# Altium PCB Hrafn_backup.PcbDoc (part 1 of 5)
Units mil, origin at the board's own origin, x right, y up, seen from the top; angles counter-clockwise.
Board outline 3346.46 x 3729.53 mil, 6 copper layers (Top Layer, GND, Internal Top, Internal Bottom, PWR, Bottom Layer), stack 55.468 mil thick; 375 components, 229 nets, 1217 pads, 760 vias.
Unrouted connection lines stored in the file: 2.
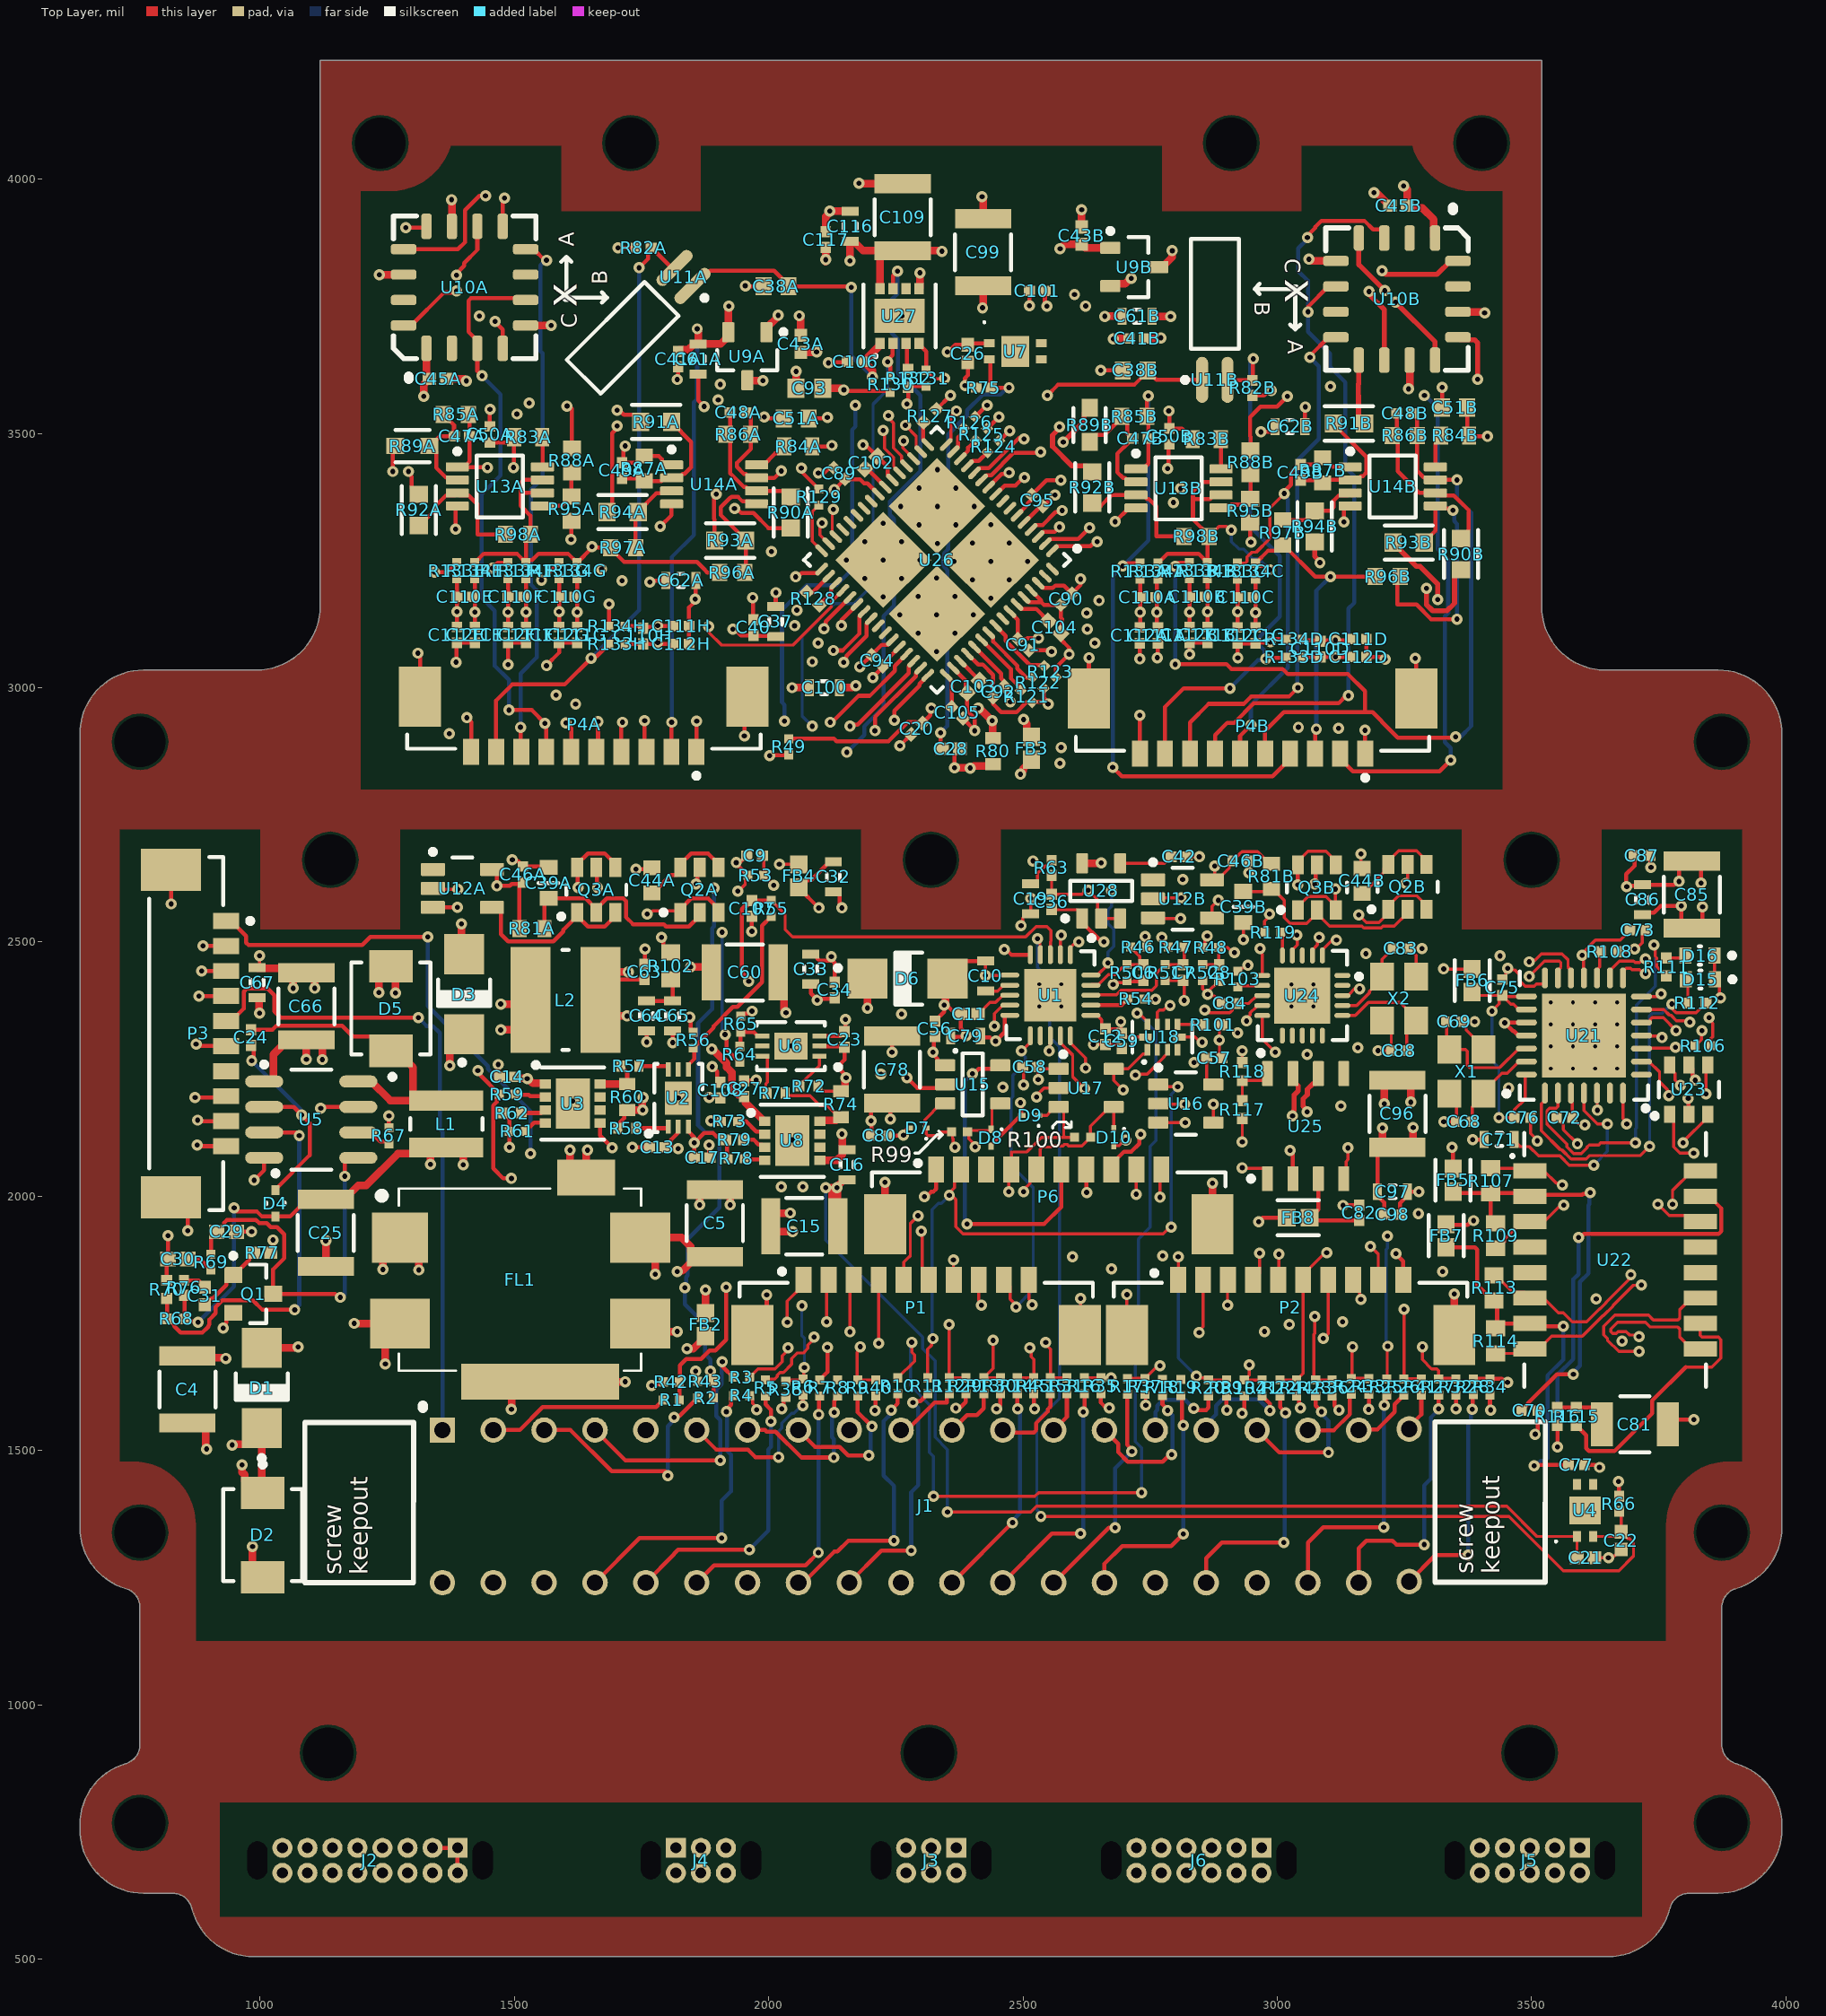
[diagram p0: Top Layer view]
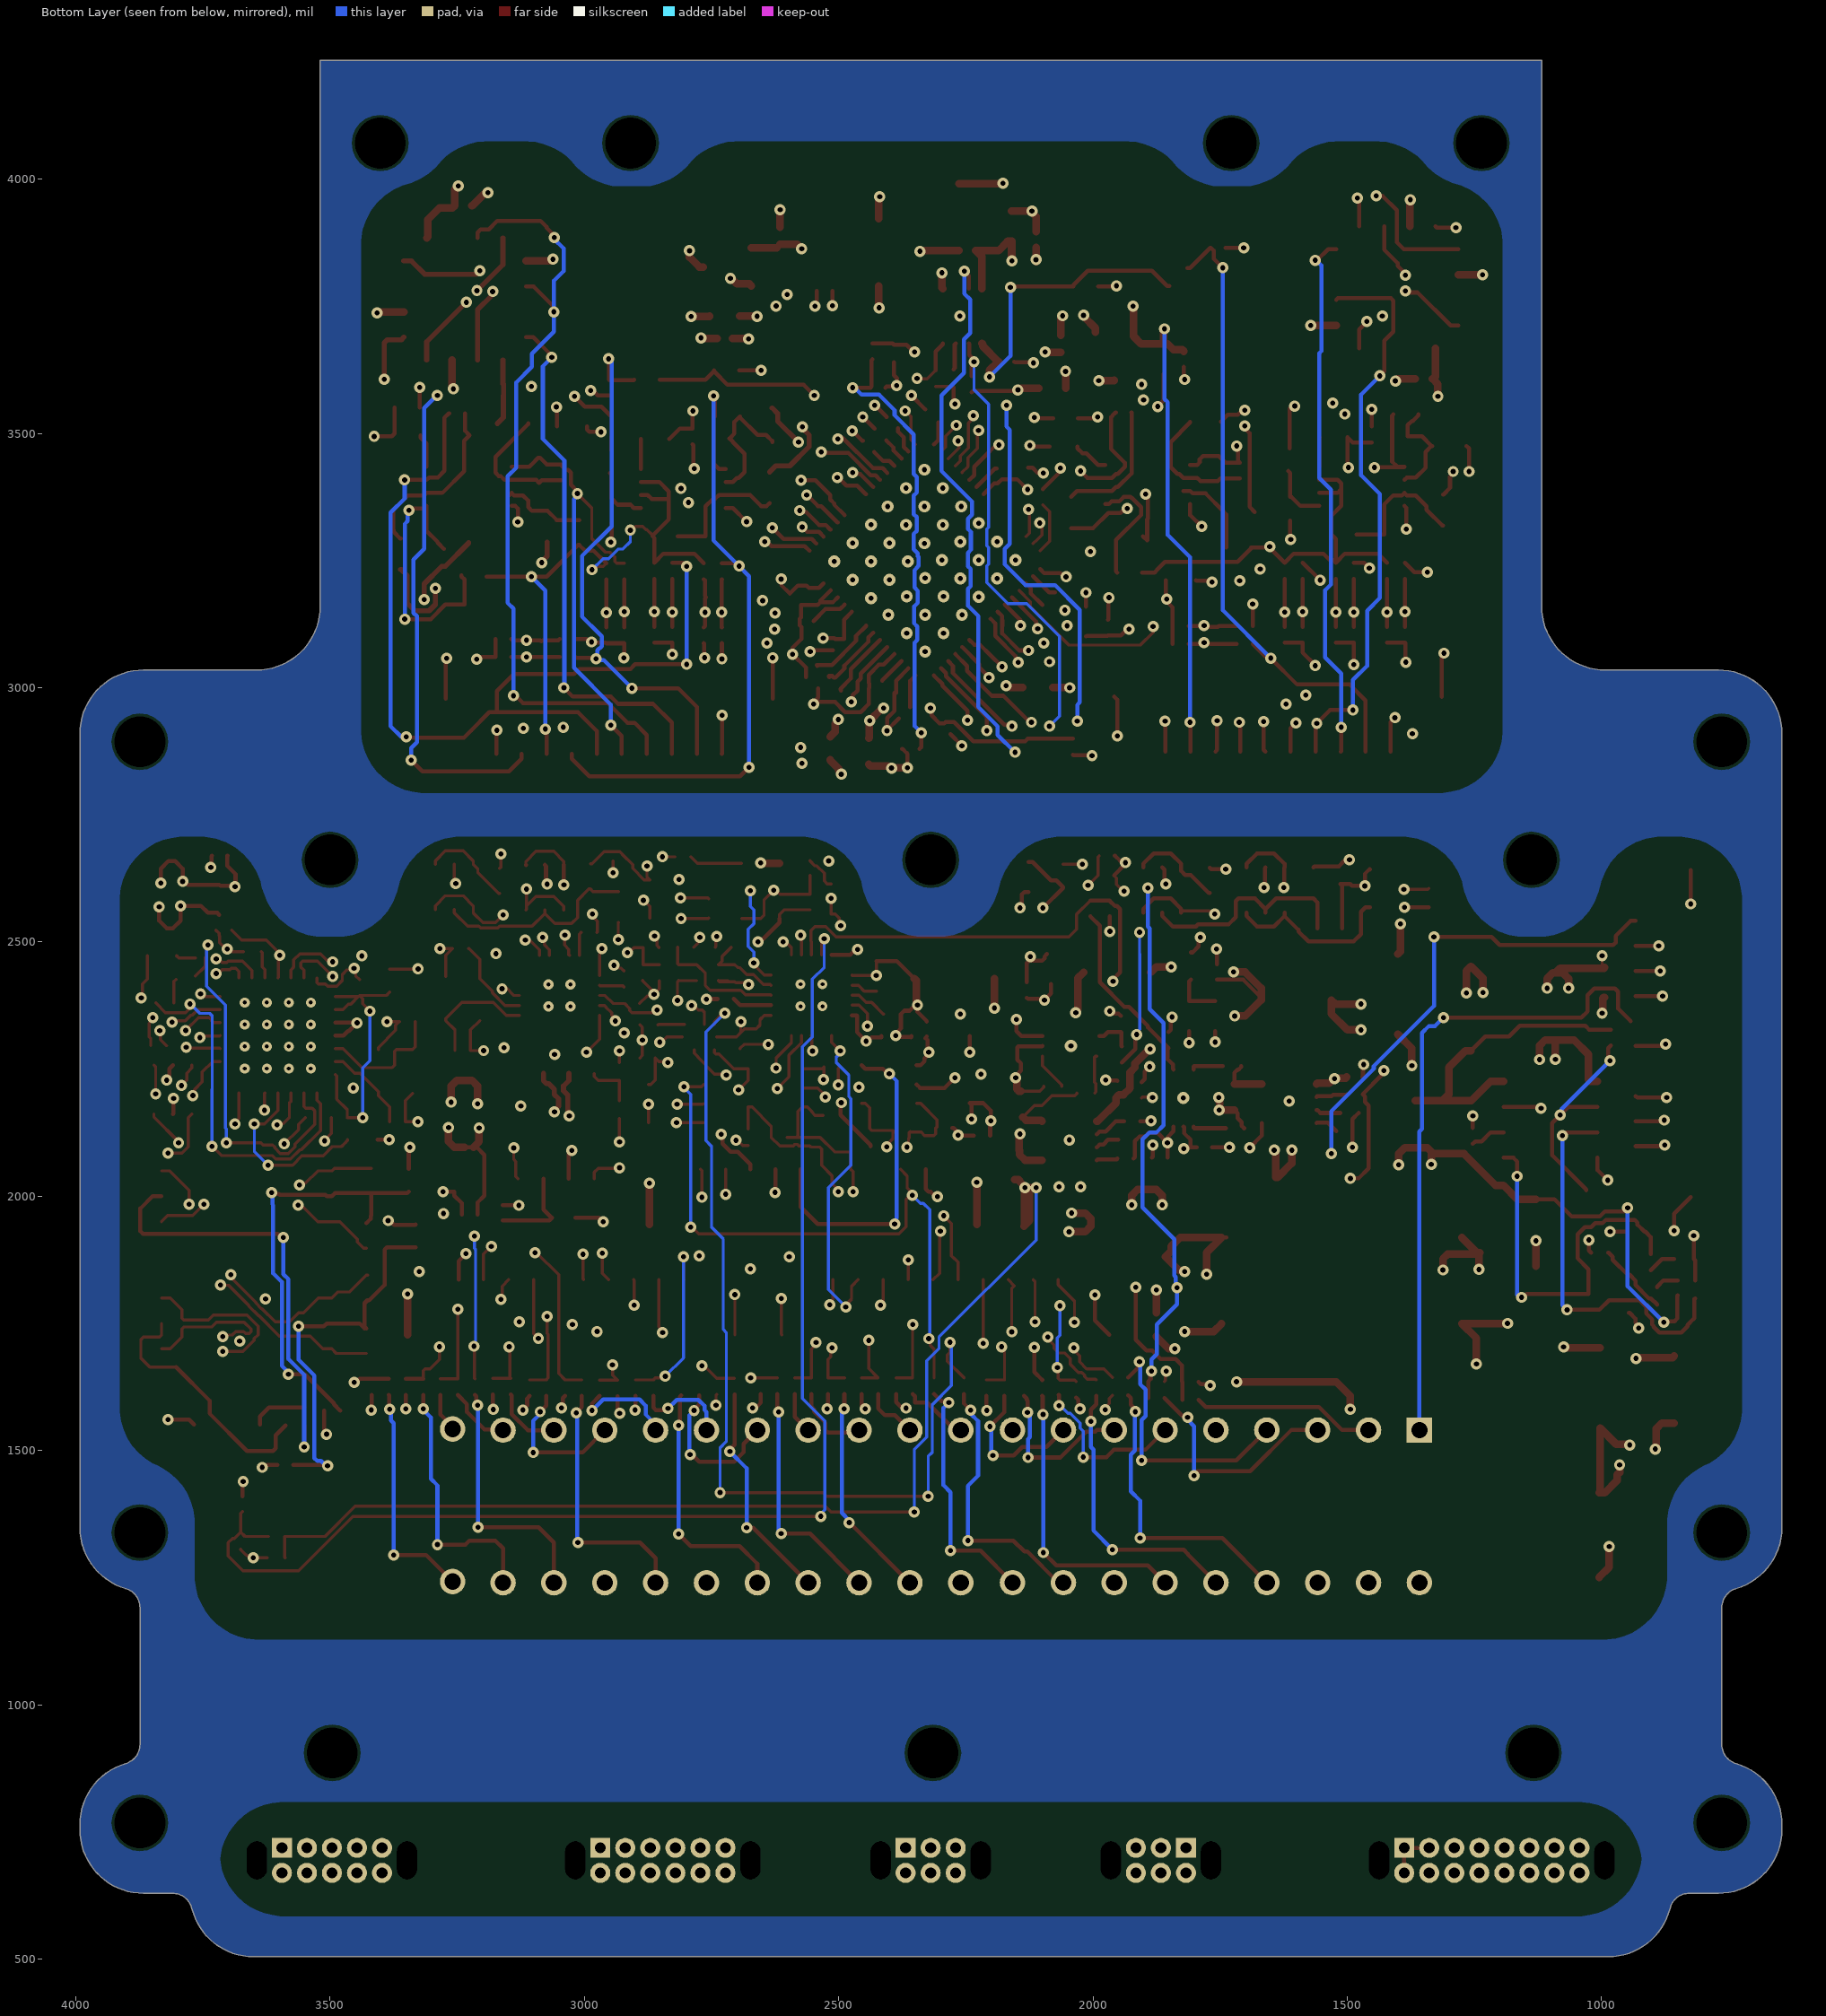
[diagram p1: Bottom Layer view, seen from below]
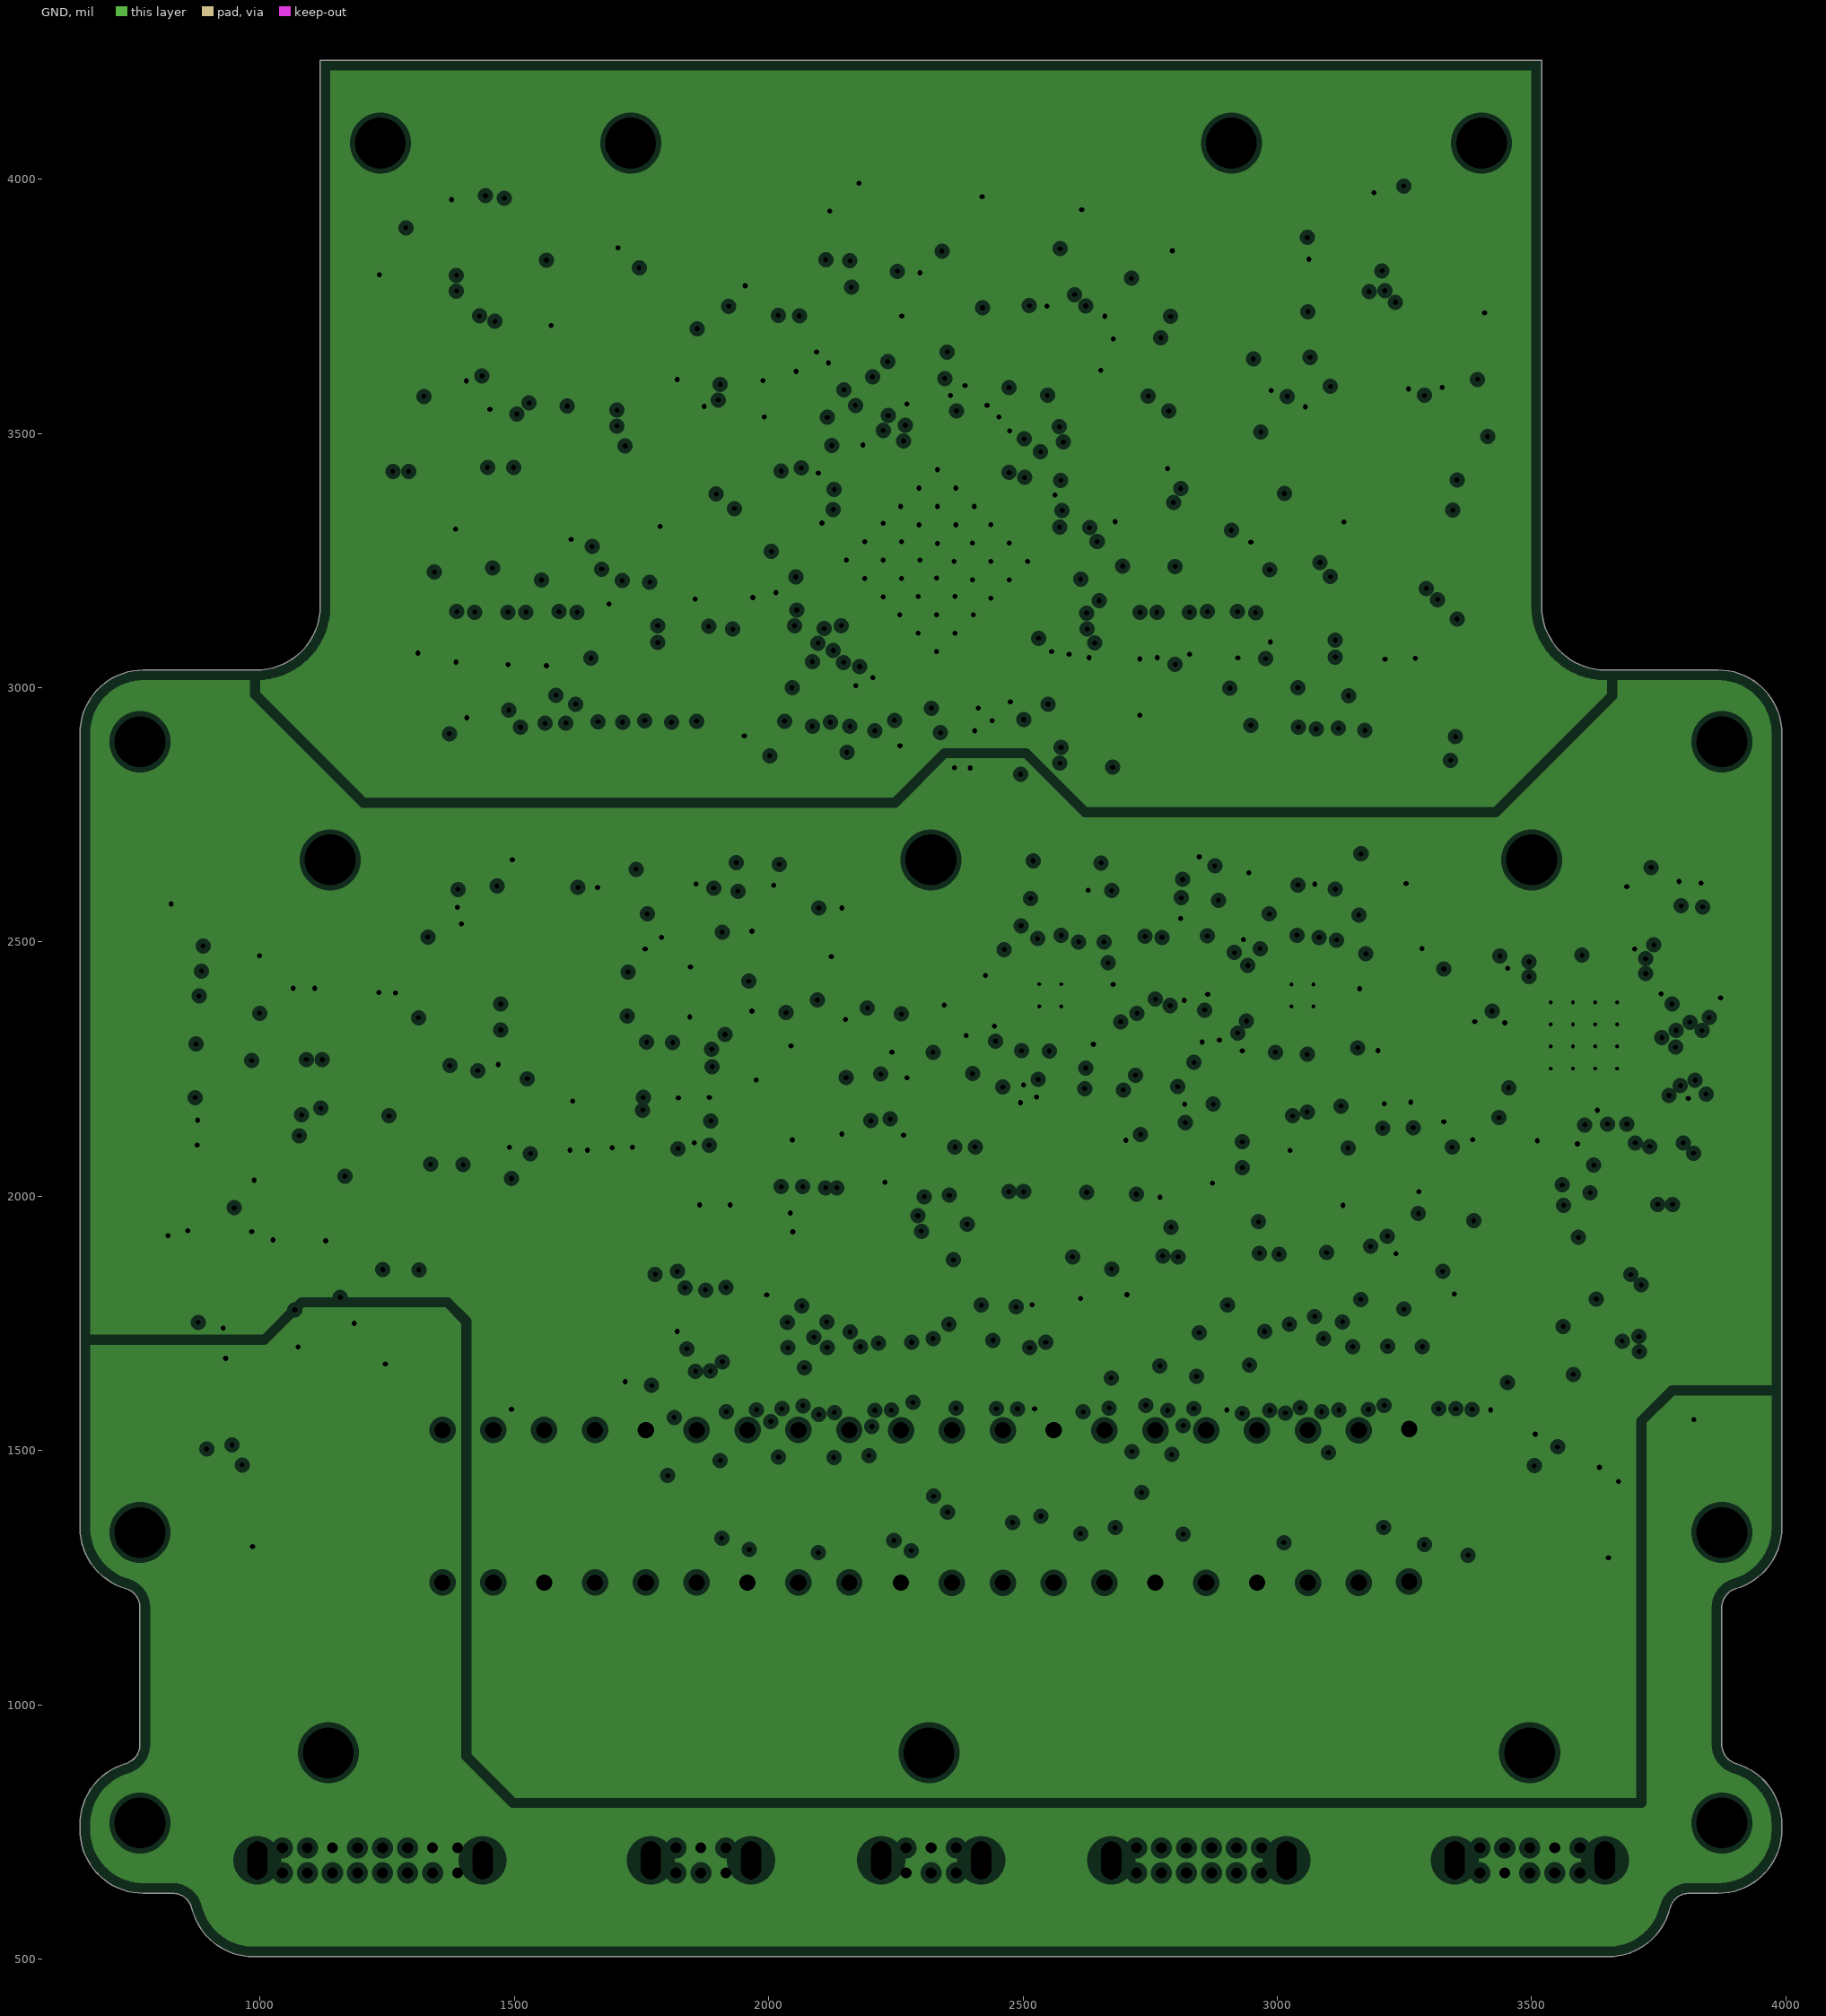
[diagram p2: GND, clearances drawn from the general rule]
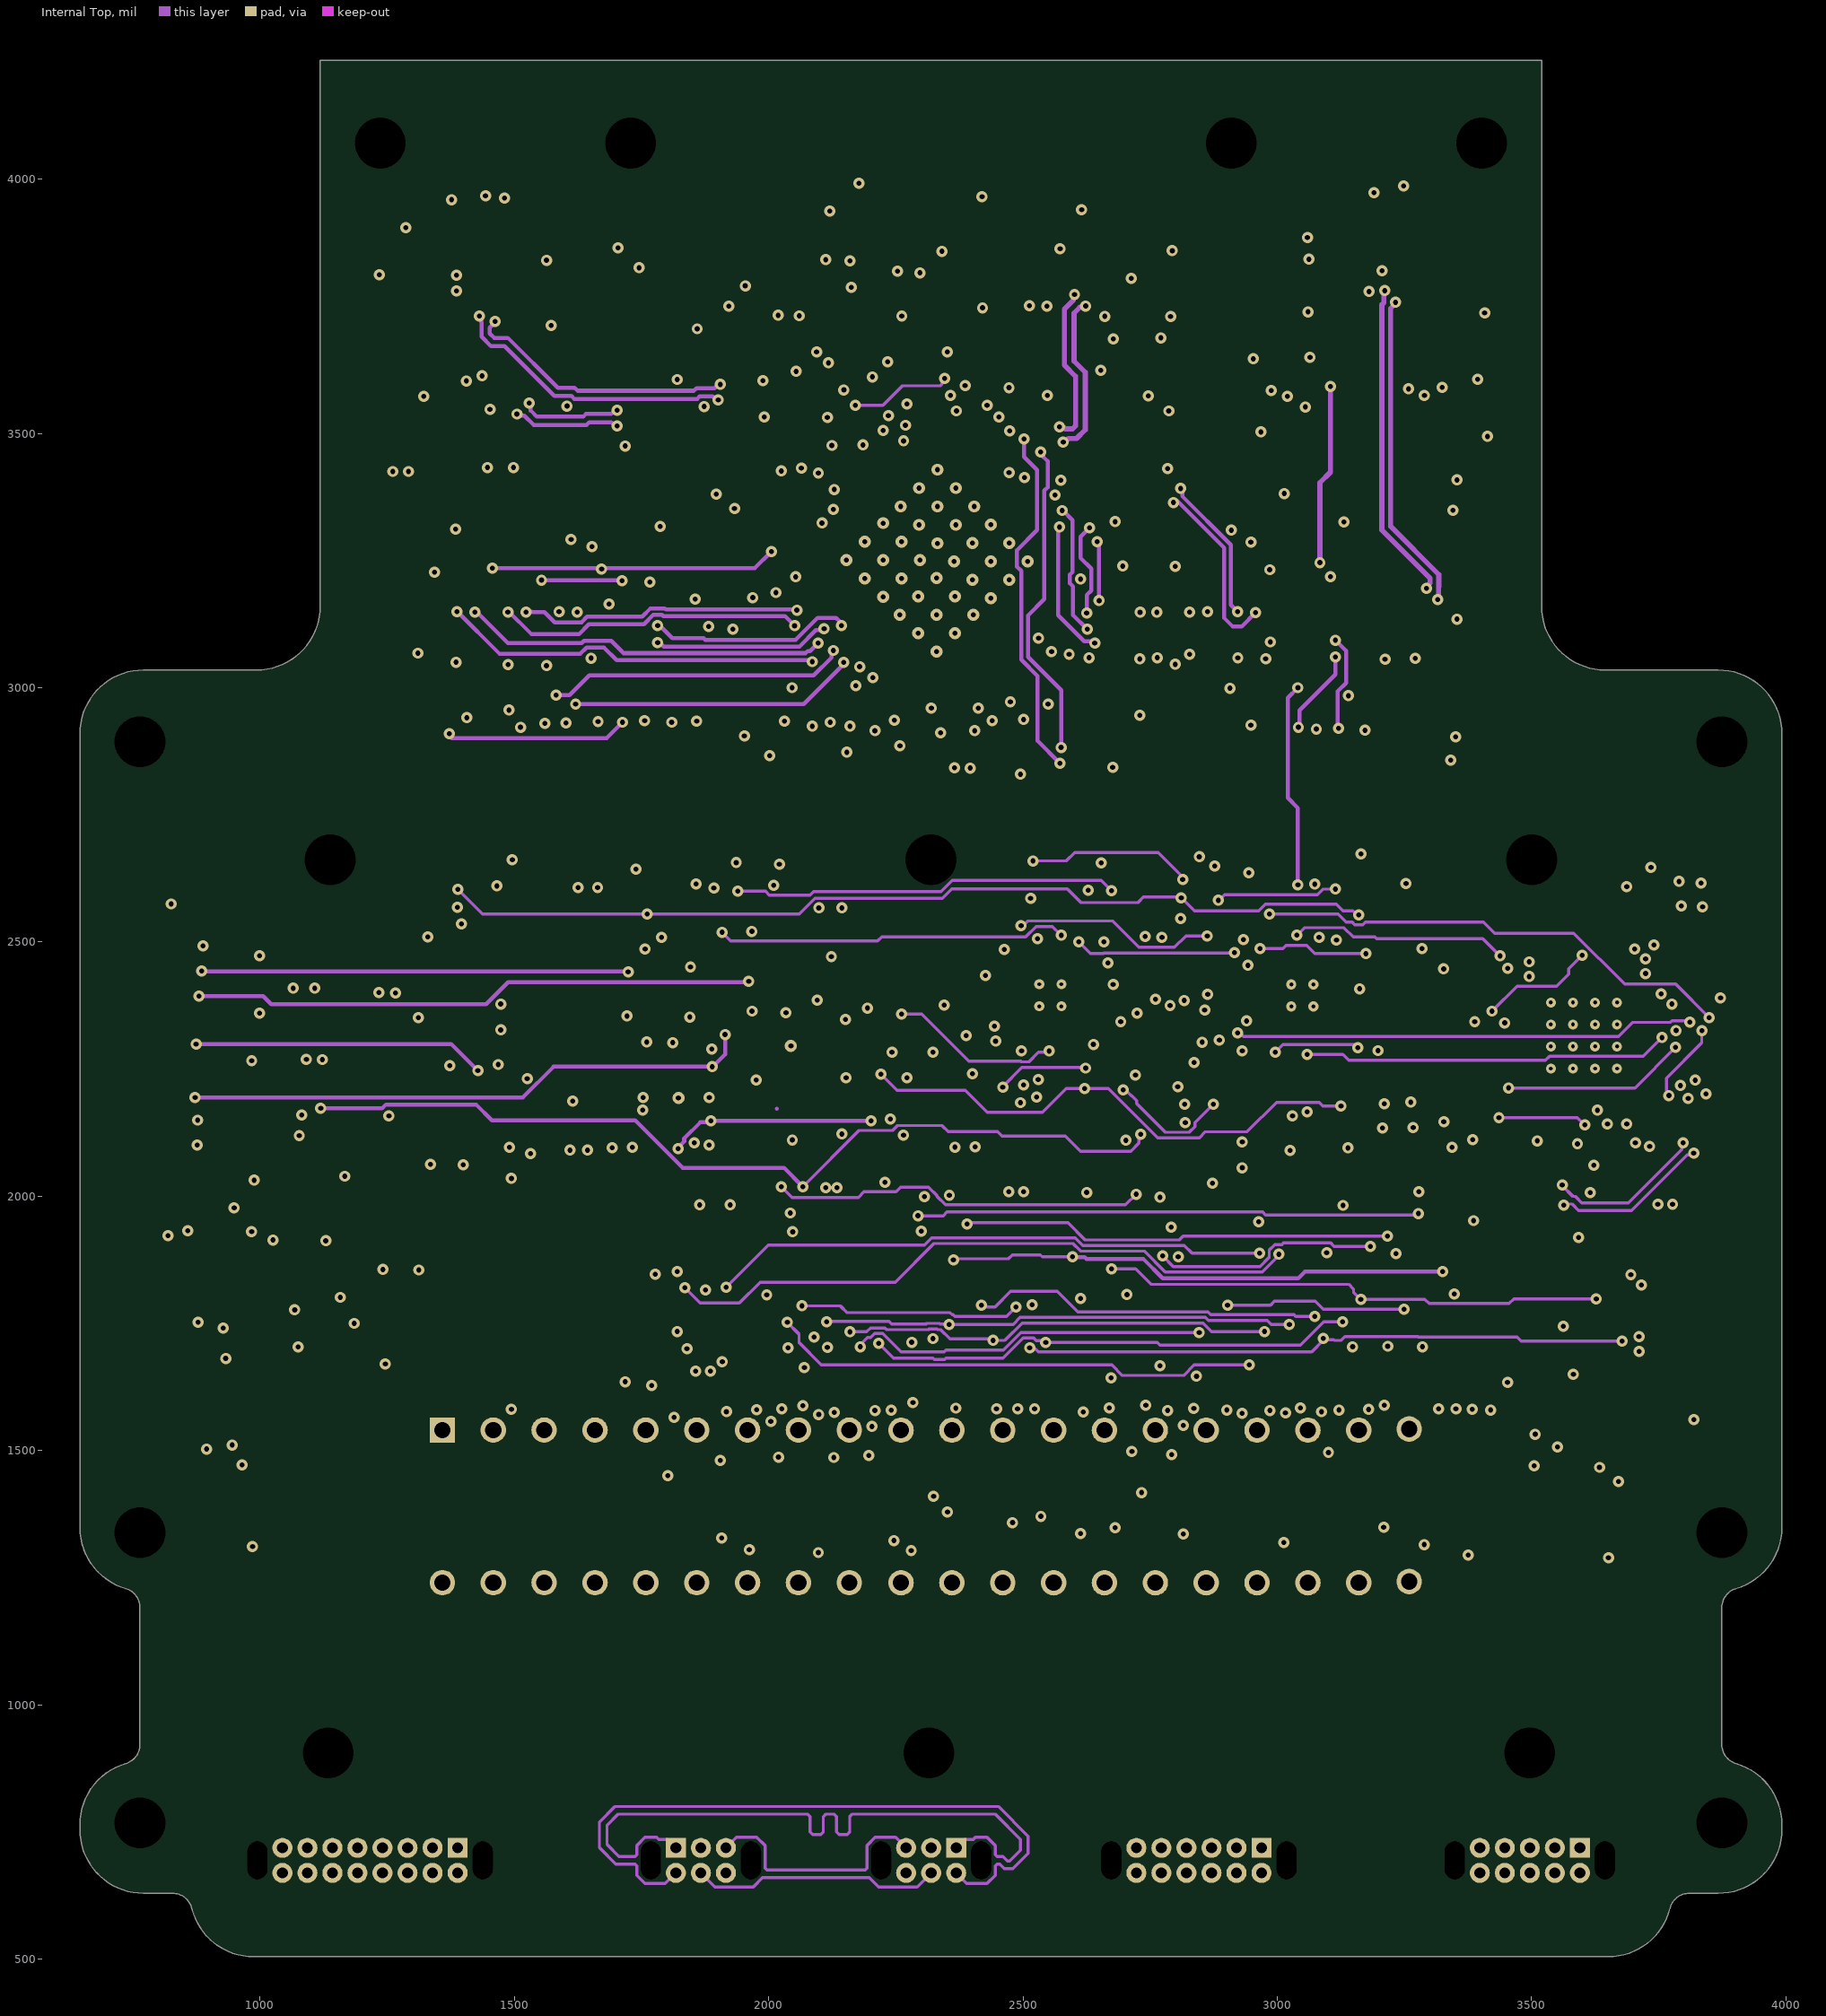
[diagram p3: Internal Top]